# KiCad board panel.opm-inline.kicad_pcb (continued)
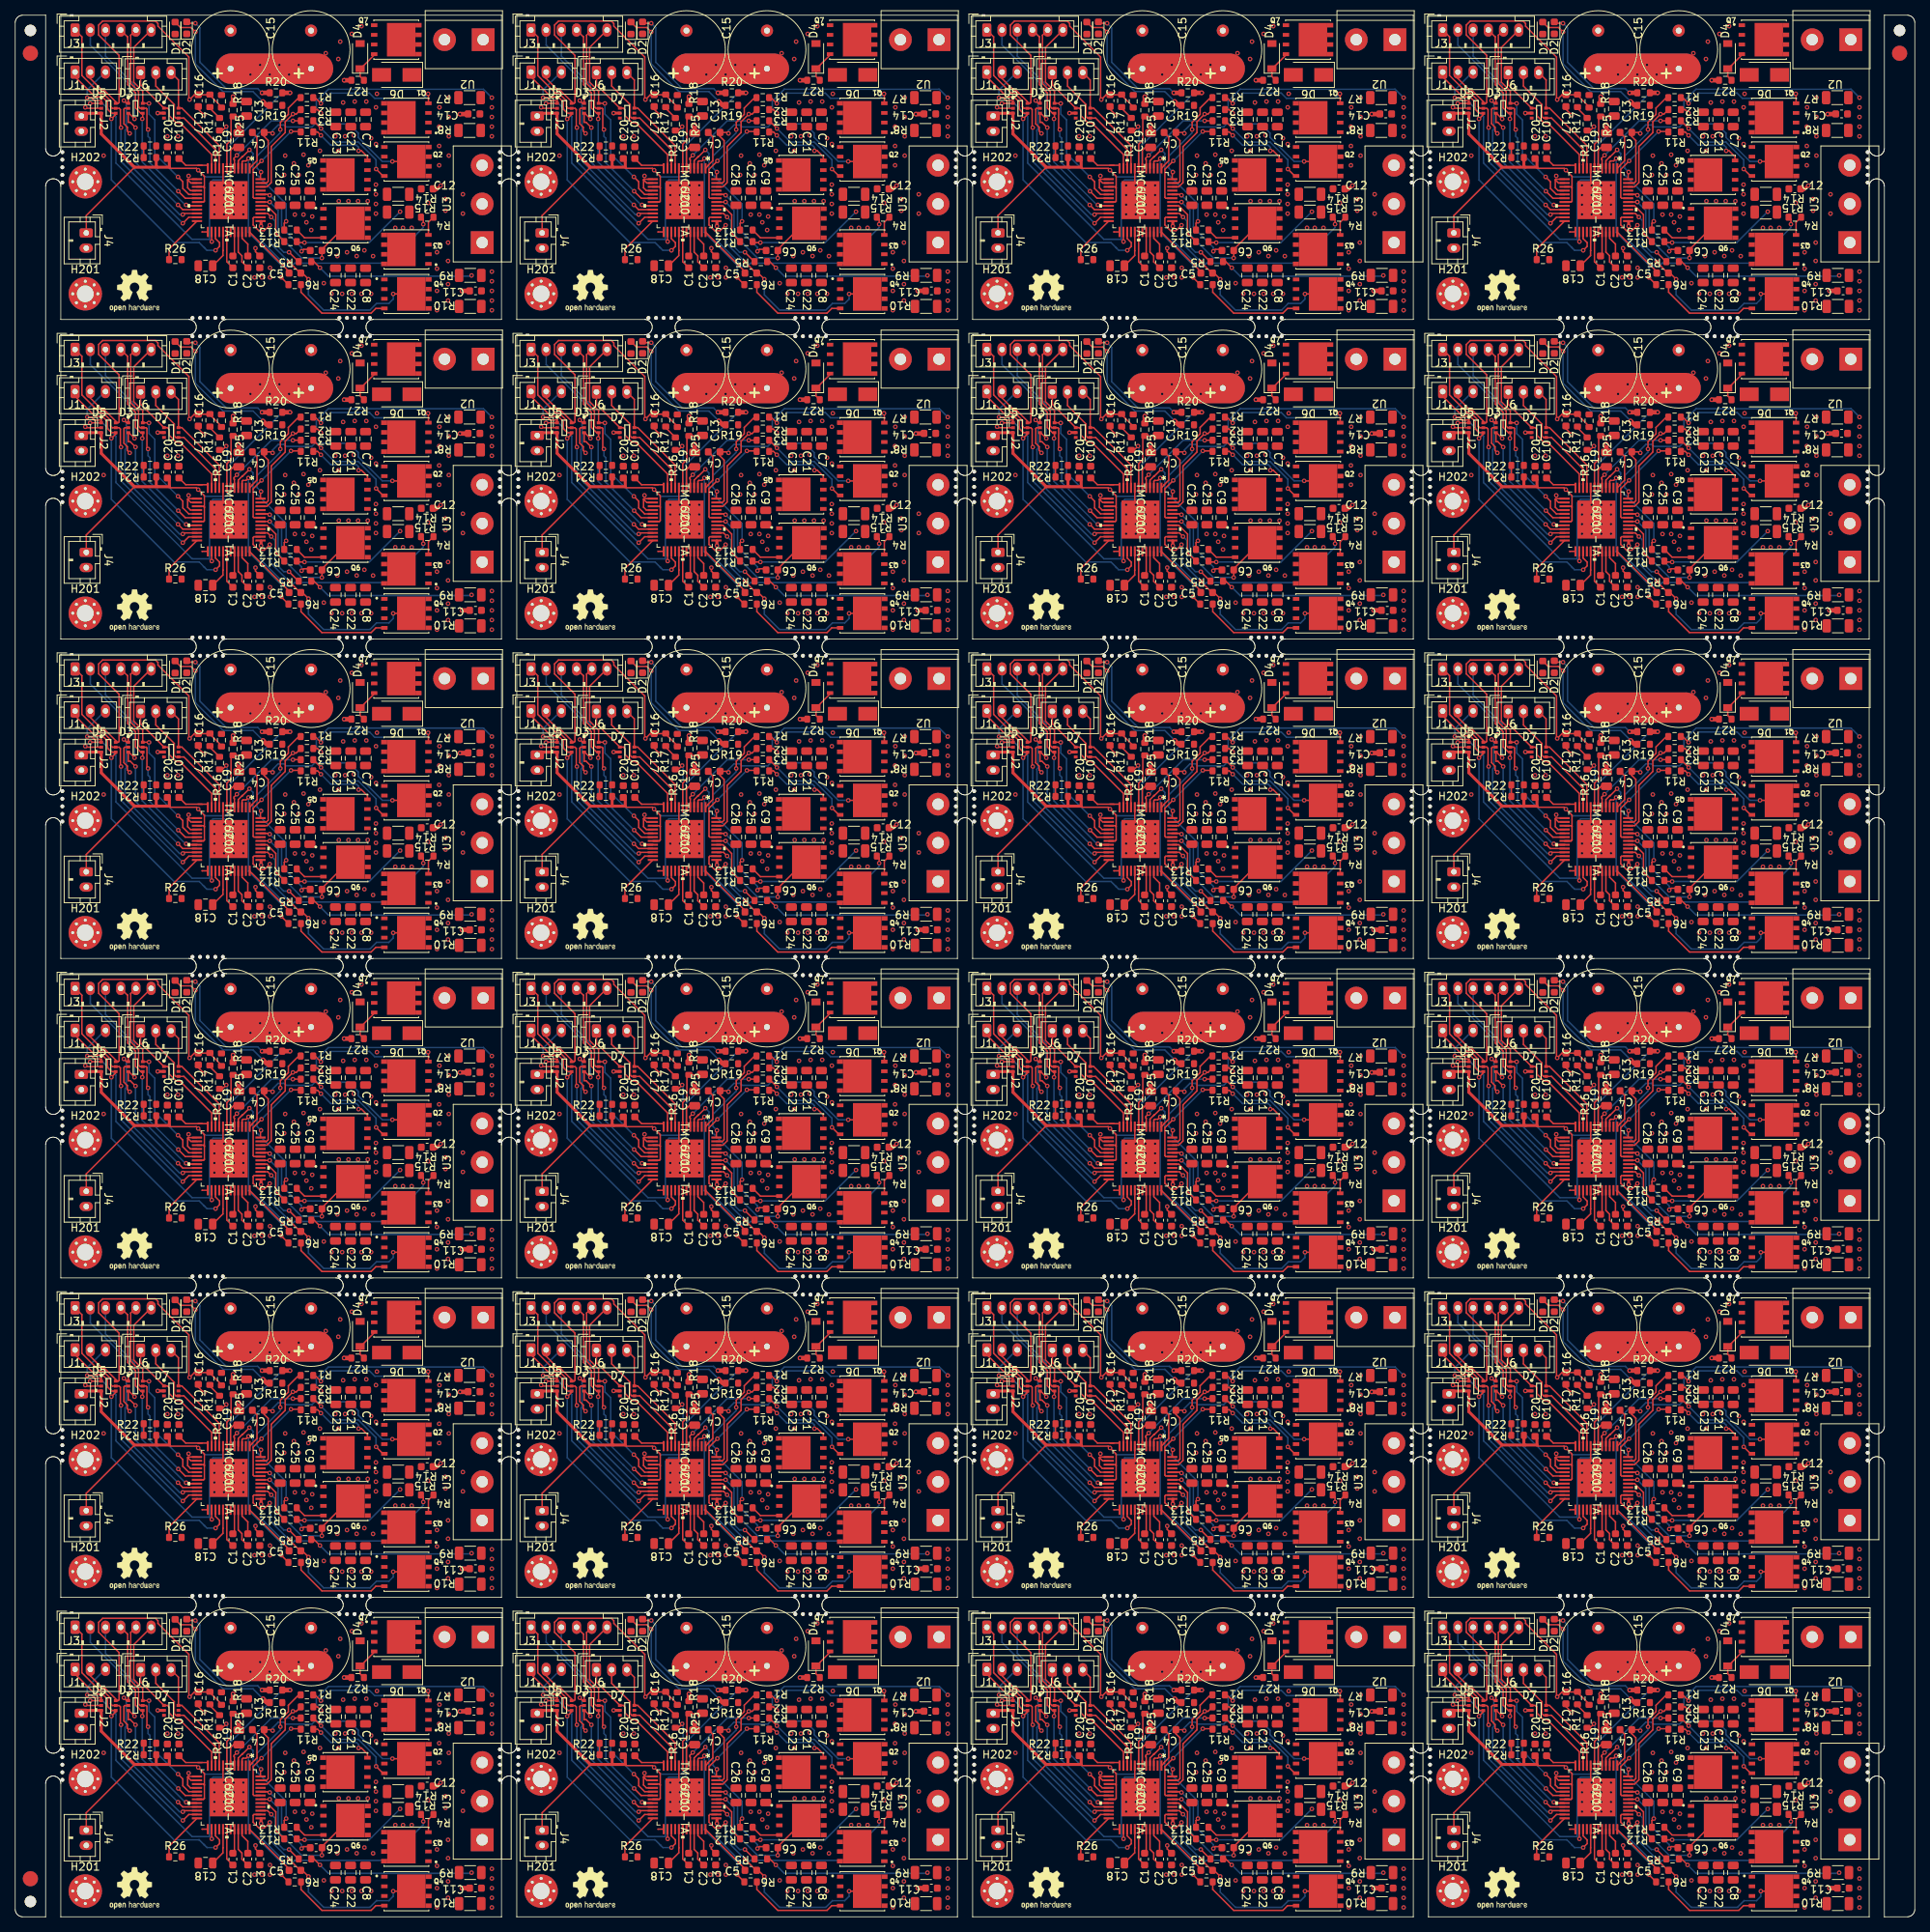
[diagram p0: board, top side]
## Routing (per net, layer and track width the routed paths; a pad name or vN(x,y) marks a point on that pad's centre or on a via; arc(x,y) is an arc through that point) (continued)
  vias: v1(136.61,194.33)
Board_6-/VL: length 32.1
  Top w0.2: IC1#5.21 141.93,182.41 v1(141.31,183.03) ; v1(135.59,194.33) 134.85,195.08 D3#23.3 ; 134.83,195.02 D3#23.3 ; D3#23.3 134.77,193.88 135.02,193.88 v1(135.72,193.19)
  Bottom w0.2: v1(135.59,194.33) 135.59,198.78 131.77,202.6 J3#15.3 ; v1(141.31,183.03) 135.72,188.62 v1(135.72,193.19)
Board_6-/VSA: length 5
  Top w0.2: C18#15.1 147.22,176.38 147.22,177.02 147.23,177.03 IC1#5.29
Board_6-/W: length 21.9
  Top w0.2: 158.86,175.79 158.83,175.77 ; R5#15.1 159.18,175.57 v1(159.98,174.77)
  Bottom w0.2: v1(159.98,174.77) 161.08,173.67 179.82,173.67 v1(179.92,173.76)
  vias: v1(182.58,174.27) v1(182.58,173) v1(182.58,171.73) v1(182.58,170.46) v1(182.58,169.19)
Board_6-/WH: length 33.7
  Top w0.2: v1(134.2,196.74) 134.56,196.38 D3#23.1 ; IC1#5.22 142.09,181.91 v1(141.94,181.76) ; D3#23.1 134.7,196.44 ; D3#23.1 134.77,197.19 v1(134.96,197.38)
  Bottom w0.2: 134.81,188.47 141.52,181.76 v1(141.94,181.76) ; 134.81,188.47 134.36,188.92 134.36,192.84 134.5,192.98 134.5,196.44 v1(134.2,196.74) ; 134.81,188.47 134.7,188.57 ; 133.41,200.39 133.21,200.59 ; 133.21,200.59 129.77,204.03 J3#15.2 ; 133.21,200.59 134.61,199.19 ; 134.7,199.1 134.61,199.19 ; 134.61,199.19 134.96,198.85 v1(134.96,197.38)
Board_6-/WL: length 34.8
  Top w0.2: IC1#5.23 142.73,181.41 v1(141.94,180.62) ; v1(133.81,193.19) 133.73,193.27 133.73,195.56 133.56,195.73 D5#10.5 132.66,195.73 132.44,195.96 132.44,196.71 131.51,197.64 131.07,197.64 128.67,200.04 128.67,205.12 J3#15.1 127.79,206.02
  Bottom w0.2: v1(141.94,180.62) 133.81,188.74 v1(133.81,193.19) ; 127.77,205.47 J3#15.1
Board_6-GND: length 31.2
  Top w0.2: 179.44,194.97 C14#9.2 ; C17#10.2 143.97,195.6 v1(144.74,194.84) ; D5#10.2 129.24,195.73 v1(129.12,195.86) ; 144.48,179.47 144.49,179.48 IC1#5.25 145.23,179.37 ; 149.73,185.41 IC1#5.EPAD ; IC1#5.EPAD 147.23,184.41 IC1#5.8 ; IC1#5.EPAD 145.73,181.41 ; v1(134.96,192.43) 134.66,192.73 134.66,193.23 134.2,193.7 134.2,195.6 134.32,195.73 D3#23.2 ; C3#4.2 151.49,176.88 v1(151.49,177.34) ; IC1#5.13 142.65,186.41 142.58,186.33 ; IC1#5.14 143,185.91 142.58,186.33 ; 142.58,186.33 142.58,185.28 142.95,184.91 IC1#5.16
  Top w0.4: 174.85,185.06 175.34,185.06 v1(175.85,185.57) ; D7#6.2 v1(138.64,195.09)
  Top w0.6: v1(163.15,199.41) R27#6.2 ; v1(178.65,171.73) C11#10.2 ; v1(178.39,194.97) 179.44,194.97 ; C19#5.2 v1(149.31,193.57)
  vias: v1(131.53,189.51) v1(139.91,192.05) v1(141.31,192.05) v1(142.7,186.84) v1(146.09,185.6) v1(146.09,184.33) v1(146.09,183.06) v1(146.09,181.79) v1(147.36,185.6) v1(147.36,184.33) v1(147.36,183.06) v1(147.36,181.79) v1(148.63,185.6) v1(148.63,184.33) v1(148.63,183.06) v1(148.63,181.79) v1(149.9,185.6) v1(149.9,184.33) v1(149.9,183.06) v1(149.9,181.79) v1(156.67,181.76) v1(157.82,181.76) v1(158.2,180.74) v1(158.83,179.73) v1(158.96,181.5) v1(160.48,172.74) v1(161.5,171.34) v1(162.01,192.05) v1(162.9,171.34) v1(163.28,192.05) v1(164.17,171.34) v1(164.42,192.17) v1(165.44,171.34) v1(166.71,191.79) v1(166.71,171.34) v1(167.34,191.03)
Board_6-Net-(C1-Pad1): length 5
  Top w0.2: IC1#5.30 147.73,175.56 C1#16.1
Board_6-Net-(C1-Pad2): length 3.2
  Top w0.2: C1#16.2 148.73,176.53 IC1#5.32
Board_6-Net-(C2-Pad2): length 3.5
  Top w0.2: IC1#5.34 149.73,178.64 150.49,177.88 C2#14.2
Board_6-Net-(C4-Pad1): length 31
  Top w0.2: C4#11.1 152.64,192.08 ; C4#11.1 153.63,192.55 v1(153.75,192.43) ; C4#11.1 152.64,192.02 153.17,191.48 153.17,186.13 152.95,185.91 IC1#5.47 ; v1(169.5,188.74) 169.51,188.74 Q2#4.5
  Bottom w0.2: v1(153.75,192.43) 153.75,192.81 154.48,193.53 155.24,193.53 155.5,193.28 158.93,193.28 159.32,193.67 163.81,193.67 165.02,192.46 165.02,191.9 168.18,188.74 v1(169.5,188.74)
  vias: v1(175.69,195.86) v1(175.65,193.32) v1(175.65,190.78) v1(175.65,188.24) v1(176.92,197.13) v1(176.92,194.59) v1(176.92,192.05) v1(176.92,189.51)
Board_6-Net-(C4-Pad2): length 5.4
  Top w0.2: C4#11.2 151.69,191.95 151.69,188.84 151.09,188.24 151.09,188.19 IC1#5.1
Board_6-Net-(C5-Pad1): length 7.4
  Top w0.2: IC1#5.36 150.73,179.45 155.91,174.27
Board_6-Net-(C5-Pad2): length 31.7
  Top w0.2: v1(169.61,171.33) Q4#17.5 ; v1(158.47,173.26) 157.66,174.07 C5#18.2 ; v1(153.37,180.36) 152.65,179.63 151.94,179.63 151.19,180.39 151.19,181.29 151.31,181.41 IC1#5.38 ; 157.46,174.27 157.18,174.27 v1(155.91,175.54)
  Bottom w0.2: v1(153.37,180.36) 153.47,180.26 153.47,177.98 v1(155.91,175.54) ; v1(169.61,171.33) 169.61,170.64 169.04,170.07 167.41,170.07 166.54,169.21 160.46,169.21 158.47,171.2 v1(158.47,173.26)
  vias: v1(175.36,176.81) v1(175.36,174.65) v1(175.36,171.73) v1(175.36,169.19) v1(176.82,178.08) v1(176.82,175.66) v1(176.82,172.61) v1(176.82,170.46)
Board_6-Net-(C6-Pad1): length 19.3
  Top w0.2: v1(153.37,183.41) 153.37,183.41 IC1#5.42 ; Q6#17.5 163.67,180.62 160.24,177.19 160.24,176.06 v1(160.23,176.04)
  Bottom w0.2: v1(153.37,183.41) 154.47,182.31 154.47,179.14 157.56,176.04 v1(160.23,176.04)
  vias: v1(162.45,183.53) v1(163.72,183.53) v1(164.99,183.53) v1(166.26,183.53) v1(167.33,185.7) v1(167.33,184.43) v1(167.33,183.16) v1(167.33,181.89)
Board_6-Net-(C6-Pad2): length 12.4
  Top w0.2: v1(157.56,176.93) 157.82,177.19 158.69,177.19 ; v1(153.37,184.3) 153.27,184.41 IC1#5.44 153.01,184.41
  Bottom w0.2: v1(157.56,176.93) 157.56,177.44 154.93,180.07 154.93,182.74 v1(153.37,184.3)
Board_6-Net-(D1-Pad2): length 19.4
  Top w0.2: R19#11.1 152.99,196.11 ; D1#22.2 141.64,206.35 143.01,206.35 v1(143.59,205.76)
  Top w0.6: 152.99,196.11 v1(152.48,196.62)
  Bottom w0.2: v1(143.59,205.76) 143.59,201.57 147.24,197.92 151.18,197.92 v1(152.48,196.62)
Board_6-Net-(D2-Pad2): length 17.4
  Top w0.2: v1(143.59,206.9) 142.63,206.9 D2#10.2
  Top w0.6: R20#5.1 v1(152.36,197.76)
  Bottom w0.2: v1(143.59,206.9) 144.19,206.3 144.19,201.78 147.65,198.32 151.79,198.32 v1(152.36,197.76)
Board_6-Net-(D4-Pad1): length 4.4
  Top w0.2: 165.31,200.94 167.11,202.74 Q7#24.4 ; D4#15.1 165.26,199.91 R27#6.1
Board_6-Net-(IC1-Pad3): length 20.6
  Top w0.2: v1(150.58,189.12) 150.26,188.81 149.85,188.81 149.73,188.69 IC1#5.3 ; v1(154.9,173.5) 154.9,173.48 R6#8.2
  Bottom w0.2: v1(150.58,189.12) 150.58,179.42 154.9,175.1 v1(154.9,173.5)
Board_6-Net-(IC1-Pad4): length 16.7
  Top w0.2: 149.73,189.34 149.82,189.42 ; 149.73,189.34 149.23,188.84 IC1#5.4 149.23,188.65 ; 149.73,189.34 149.77,189.34 v1(150.71,190.27) ; v1(155.53,180.87) 155.28,180.62 R13#10.2
  Bottom w0.2: v1(155.53,180.87) 155.53,183.16 151.18,187.51 151.18,189.79 v1(150.71,190.27)
Board_6-Net-(IC1-Pad5): length 12.2
  Top w0.2: v1(149.05,189.55) 148.67,189.17 148.67,189 148.73,188.94 IC1#5.5 ; R3#22.2 156.43,194.09 v1(156.42,194.08)
  Bottom w0.2: v1(149.05,189.55) 153.58,194.08 v1(156.42,194.08)
Board_6-Net-(IC1-Pad24): length 6.6
  Top w0.2: R26#8.1 140.13,177.23 IC1#5.24
Board_6-Net-(IC1-Pad37): length 28.9
  Top w0.2: v1(173.57,180.49) 173.57,181.11 R4#20.2 ; 152.23,180.84 IC1#5.37
  Top w0.4: v1(152.23,180.23) 152.23,180.84
  Bottom w0.2: v1(173.57,180.49) 173.57,180.06 168.87,175.37 156.64,175.37 156.2,174.94 155.62,174.94 152.23,178.33 v1(152.23,180.23)
Board_6-Net-(IC1-Pad39): length 9.3
  Top w0.2: 157.18,175.77 156.95,175.77 v1(155.91,176.81) ; v1(153.57,181.43) 153.1,181.91 IC1#5.39
  Bottom w0.2: v1(153.57,181.43) 154.07,180.93 154.07,177.94 155.21,176.81 v1(155.91,176.81)
Board_6-Net-(IC1-Pad41): length 6.5
  Top w0.2: IC1#5.41 153.01,182.91 154.17,181.75 154.17,179.31 R12#21.2
Board_6-Net-(IC1-Pad43): length 13.1
  Top w0.2: IC1#5.43 151.31,183.91 151.19,184.03 151.19,187.7 v1(152.29,188.81) ; v1(156.17,192.68) 157.39,192.68 R11#11.2
  Bottom w0.2: v1(152.29,188.81) v1(156.17,192.68)
Board_6-Net-(IC1-Pad46): length 13.1
  Top w0.2: IC1#5.46 153.01,185.41 153.57,185.96 153.57,190.7 155.4,192.54 155.4,193.95 v1(156.42,194.97) 156.86,194.97 R2#3.2
Board_6-Net-(IC1-Pad48): length 13.8
  Top w0.2: R1#12.2 157.18,197.13 155.82,195.76 155.82,194.93 154.77,193.88 v1(154.77,192.93) ; v1(152.23,187.35) 152.16,187.28 IC1#5.48
  Bottom w0.2: v1(154.77,192.93) 154.77,192.51 151.69,189.43 151.69,187.88 v1(152.23,187.35) 152.23,187.6
Board_6-Net-(Q1-Pad4): length 17.8
  Top w0.2: Q1#24.4 174.24,197.59 v1(174.2,197.63) ; R1#12.1 159.34,197.13 v1(160.1,196.36)
  Bottom w0.2: v1(174.2,197.63) 173.6,197.03 167.18,197.03 166.49,197.73 161.47,197.73 v1(160.1,196.36)
Board_6-Net-(Q2-Pad4): length 13.2
  Top w0.2: v1(167.36,187.74) 168.27,186.83 Q2#4.4 ; 160.23,192.96 v1(160.11,193.07) R3#22.1
  Bottom w0.2: v1(167.36,187.74) 167.36,188.95 165.02,191.28 161.9,191.28 v1(160.11,193.07)
Board_6-Net-(Q3-Pad4): length 2.6
  Top w0.2: R4#20.1 174.24,180.75 Q3#5.4
Board_6-Net-(Q4-Pad4): length 13.5
  Top w0.2: Q4#17.4 167.32,169.42 166.71,168.8 160.23,168.8 157.48,171.55 R6#8.1 157.68,172.55
Board_6-Net-(Q5-Pad4): length 9.2
  Top w0.2: v1(160.1,192.17) 159.66,192.62 R11#11.1 ; Q5#18.4 166.22,189.36 165.44,190.14 v1(165.06,190.14)
  Bottom w0.2: v1(160.1,192.17) 161.4,190.88 164.78,190.88 165.06,190.6 v1(165.06,190.14)
Board_6-Net-(Q6-Pad4): length 3.9
  Top w0.2: R13#10.1 157.94,178.71 Q6#17.4
Board_6-Net-(R16-Pad2): length 2
  Top w0.2: R16#22.2 145.5,195.73 R17#18.1
Board_7-/+VM: length 61.7
  Top w0.2: IC1#6.33 209.18,176.82 209.67,176.34 209.67,175.54 C2#15.1
  Top w0.6: R25#12.2 v1(208.5,197.25)
  Top w4: 208.24,200.94 219.67,200.94
  In1.Cu w4: 208.5,200.94 218.3,200.94
  In2.Cu w4: 208.24,200.94 219.67,200.94 208.24,200.94
  Bottom w4: 208.24,200.94 219.67,200.94
  vias: v1(210.78,200.17) v1(211.31,173.5) v1(212.05,201.44) v1(212.28,173.5) v1(213.32,200.17) v1(213.35,174.77) v1(213.35,173.5) v1(214.59,201.44) v1(215.23,186.97) v1(215.35,189.51) v1(215.86,200.17) v1(216.5,188.49) v1(217.13,201.44) v1(217.13,186.97) v1(217.77,189.63) v1(218.4,188.24) v1(219.93,190.14) v1(220.69,202.97) v1(222.21,176.31) v1(222.34,202.21) v1(222.34,190.14) v1(222.59,204.49) v1(222.97,196.49) v1(223.48,176.81) v1(224.12,205.51) v1(224.5,196.62) v1(224.75,176.31) v1(225.39,206.52) v1(225.77,177.06) v1(226.02,196.62) v1(226.91,176.3) v1(227.29,195.86) v1(227.42,197.63) v1(229.83,180.02) v1(230.85,180.02) v1(231.99,180.02)
Board_7-/ADC_I_u: length 15.5
  Top w0.2: IC1#6.9 206.68,190.83 201.77,195.74 D7#13.6 201.32,199.45 J6#13.3
Board_7-/ADC_I_v: length 17.7
  Top w0.2: 206.12,188.32 206.18,188.26 IC1#6.10 206.18,190.3 202.03,194.44 D7#13.4 200.98,194.44 200.77,194.65 200.77,196.22 198.34,198.65 J6#13.2 198.84,199.92
Board_7-/ADC_I_w: length 17
  Top w0.2: IC1#6.11 205.68,189.65 201.51,193.82 201.03,193.82 200.11,194.74 200.11,195.5 199.87,195.74 D7#13.1 196.34,198.83 J6#13.1
Board_7-/Connectors/VOFS: length 1.8
  Top w0.2: R22.1 R21#3.2 ; 196.43,189.12 196.75,189.12
Board_7-/DRV_EN: length 38.5
  Top w0.2: v1(192.49,194.33) 193.06,194.9 D5#7.4 192.51,195.08 191.99,195.6 191.99,196.55 191.29,197.24 190.35,197.24 187.72,199.87 J1#19.1 ; v1(206.2,177.06) 206.72,177.58 206.72,178.07 206.18,178.6 IC1#6.27 206.18,179.06 206.2,179.04
  Bottom w0.2: 204.69,177.44 204.81,177.31 ; 204.69,177.44 204.05,178.08 200.73,178.08 192.49,186.31 v1(192.49,194.33) ; 204.69,177.44 205.07,177.06 v1(206.2,177.06)
Board_7-/FAULT: length 63.4
  Top w0.2: v1(189.7,196.36) 189.72,196.38 D5#7.1 191.16,196.69 ; 191.22,196.74 190.28,196.74 189.9,197.13 v1(189.32,197.13) ; v1(205.7,178.2) 205.68,178.22 IC1#6.26
  Top w0.6: R20#8.2 v1(215.99,197.76)
  Bottom w0.2: 193,194.71 192.78,194.93 ; 193,194.71 193.09,194.62 193.09,188.53 203.12,178.5 205.4,178.5 ; 193,194.71 191.35,196.36 v1(189.7,196.36) ; 205.4,178.5 v1(205.7,178.2) ; 205.4,178.5 205.4,185.84 205.87,186.31 207.9,186.31 208.13,186.55 208.13,190.92 R20#8.2 v1(215.99,197.76) ; J1#19.3 191.66,200.49 189.32,198.14 v1(189.32,197.13)
Board_7-/Motor Driver/VOFS: length 4.7
  Top w0.2: 203.89,188.24 205.16,188.24 ; C10#14.1 202.27,188.24 204.43,188.24
Board_7-/TEMP_PCB: length 42.5
  Top w0.2: 193.06,203.13 193.05,203.14 ; 193.05,203.14 193.51,202.68 193.51,196.49 193.4,196.38 D5#7.6 193.06,196.6 191.63,198.04 191.33,198.04 189.72,199.64 J1#19.2 ; 193.05,203.14 190.82,205.37 190.82,206.66 191.35,207.19 198.3,207.19 198.62,206.87 198.62,206.53 202.69,202.46 202.69,196.96 v1(202.78,196.87) 203.42,197.51 C17#19.1 205.42,197.51 R17#8.2 205.45,197.44 206.97,195.92
Board_7-/U: length 27.2
  Top w0.2: R2#16.1 219.59,195.56 v1(220.05,195.09)
  Bottom w0.2: v1(242.53,197.13) 241.42,198.23 221.04,198.23 219.45,196.65 219.45,195.69 v1(220.05,195.09)
  vias: v1(242.53,195.86) v1(242.53,194.59) v1(242.53,193.32) v1(242.53,192.05)
Board_7-/UH: length 27.5
  Top w0.2: v1(201.26,186.71) 201.89,186.08 201.89,185.19 202.67,184.41 IC1#6.17 ; 197.72,205.66 J3#17.6 195.44,203.73 195.44,199.16 196.62,197.98 D3#17.6 197.43,196.38 v1(197.45,196.36)
  Bottom w0.2: v1(197.45,196.36) 197.45,194.97 198.21,194.21 198.21,189.76 v1(201.26,186.71)
Board_7-/UL: length 27.4
  Top w0.2: v1(197.32,192.93) 197.17,193.09 197.17,195.63 197.07,195.73 D3#17.5 196.28,195.73 196.07,195.94 196.07,197.94 195.92,198.08 195.92,198.11 195.04,198.99 195.04,205.33 J3#17.5 ; IC1#6.18 202.21,183.91 v1(201.29,184.83)
  Bottom w0.2: v1(197.32,192.93) 197.32,192.05 197.57,191.79 197.57,188.54 v1(201.29,184.83)
Board_7-/V: length 15.3
  Top w0.2: R12#23.1 217,178.08 v1(217.89,178.08)
  Bottom w0.2: v1(230.47,182.14) 226.4,178.08 v1(217.89,178.08)
  vias: v1(234.15,183.28) v1(236.44,183.79) v1(236.44,182.27) v1(238.72,184.43) v1(238.72,181.89)
Board_7-/VH: length 30.4
  Top w0.2: v1(202.33,183.03) 202.45,182.91 IC1#6.20 202.88,182.91 ; D3#17.4 196.36,195.08 195.67,195.77 195.67,197.76 195.27,198.16 195.27,198.2 194.64,198.83 194.64,205.13 194.61,205.13 J3#17.4 ; D3#17.4 196.42,195.08 ; D3#17.4 196.62,194.27
  Bottom w0.2: 196.56,194.2 196.56,188.67 202.33,182.91 202.14,182.91 202.14,183.02 ; 194.27,205.47 J3#17.4
  vias: v1(196.56,194.33)
Board_7-/VL: length 32.1
  Top w0.2: IC1#6.21 201.88,182.41 v1(201.26,183.03) ; v1(195.54,194.33) 194.8,195.08 D3#17.3 ; 194.78,195.02 D3#17.3 ; D3#17.3 194.72,193.88 194.97,193.88 v1(195.67,193.19)
  Bottom w0.2: v1(195.54,194.33) 195.54,198.78 191.72,202.6 J3#17.3 ; v1(201.26,183.03) 195.67,188.62 v1(195.67,193.19)
Board_7-/VSA: length 5
  Top w0.2: C18#3.1 207.17,176.38 207.17,177.02 207.18,177.03 IC1#6.29
Board_7-/W: length 21.9
  Top w0.2: 218.81,175.79 218.78,175.77 ; R5#24.1 219.13,175.57 v1(219.93,174.77)
  Bottom w0.2: v1(219.93,174.77) 221.03,173.67 239.77,173.67 v1(239.87,173.76)
  vias: v1(242.53,174.27) v1(242.53,173) v1(242.53,171.73) v1(242.53,170.46) v1(242.53,169.19)
Board_7-/WH: length 33.7
  Top w0.2: v1(194.15,196.74) 194.51,196.38 D3#17.1 ; IC1#6.22 202.04,181.91 v1(201.89,181.76) ; D3#17.1 194.65,196.44 ; D3#17.1 194.72,197.19 v1(194.91,197.38)
  Bottom w0.2: 194.76,188.47 201.47,181.76 v1(201.89,181.76) ; 194.76,188.47 194.31,188.92 194.31,192.84 194.45,192.98 194.45,196.44 v1(194.15,196.74) ; 194.76,188.47 194.65,188.57 ; 193.36,200.39 193.16,200.59 ; 193.16,200.59 189.72,204.03 J3#17.2 ; 193.16,200.59 194.56,199.19 ; 194.65,199.1 194.56,199.19 ; 194.56,199.19 194.91,198.85 v1(194.91,197.38)
Board_7-/WL: length 34.8
  Top w0.2: IC1#6.23 202.68,181.41 v1(201.89,180.62) ; v1(193.76,193.19) 193.68,193.27 193.68,195.56 193.51,195.73 D5#7.5 192.61,195.73 192.39,195.96 192.39,196.71 191.46,197.64 191.02,197.64 188.62,200.04 188.62,205.12 J3#17.1 187.74,206.02
  Bottom w0.2: v1(201.89,180.62) 193.76,188.74 v1(193.76,193.19) ; 187.72,205.47 J3#17.1
Board_7-GND: length 31.2
  Top w0.2: 239.39,194.97 C14#8.2 ; C17#19.2 203.92,195.6 v1(204.69,194.84) ; D5#7.2 189.19,195.73 v1(189.07,195.86) ; 204.43,179.47 204.44,179.48 IC1#6.25 205.18,179.37 ; 209.68,185.41 IC1#6.EPAD ; IC1#6.EPAD 207.18,184.41 IC1#6.8 ; IC1#6.EPAD 205.68,181.41 ; v1(194.91,192.43) 194.61,192.73 194.61,193.23 194.15,193.7 194.15,195.6 194.27,195.73 D3#17.2 ; C3#12.2 211.44,176.88 v1(211.44,177.34) ; IC1#6.13 202.6,186.41 202.53,186.33 ; IC1#6.14 202.95,185.91 202.53,186.33 ; 202.53,186.33 202.53,185.28 202.9,184.91 IC1#6.16
  Top w0.4: 234.8,185.06 235.29,185.06 v1(235.8,185.57) ; D7#13.2 v1(198.59,195.09)
  Top w0.6: v1(223.1,199.41) R27#3.2 ; v1(238.6,171.73) C11#15.2 ; v1(238.34,194.97) 239.39,194.97 ; C19#11.2 v1(209.26,193.57)
  vias: v1(191.48,189.51) v1(199.86,192.05) v1(201.26,192.05) v1(202.65,186.84) v1(206.04,185.6) v1(206.04,184.33) v1(206.04,183.06) v1(206.04,181.79) v1(207.31,185.6) v1(207.31,184.33) v1(207.31,183.06) v1(207.31,181.79) v1(208.58,185.6) v1(208.58,184.33) v1(208.58,183.06) v1(208.58,181.79) v1(209.85,185.6) v1(209.85,184.33) v1(209.85,183.06) v1(209.85,181.79) v1(216.62,181.76) v1(217.77,181.76) v1(218.15,180.74) v1(218.78,179.73) v1(218.91,181.5) v1(220.43,172.74) v1(221.45,171.34) v1(221.96,192.05) v1(222.85,171.34) v1(223.23,192.05) v1(224.12,171.34) v1(224.37,192.17) v1(225.39,171.34) v1(226.66,191.79) v1(226.66,171.34) v1(227.29,191.03)
Board_7-Net-(C1-Pad1): length 5
  Top w0.2: IC1#6.30 207.68,175.56 C1#6.1
Board_7-Net-(C1-Pad2): length 3.2
  Top w0.2: C1#6.2 208.68,176.53 IC1#6.32
Board_7-Net-(C2-Pad2): length 3.5
  Top w0.2: IC1#6.34 209.68,178.64 210.44,177.88 C2#15.2
Board_7-Net-(C4-Pad1): length 31
  Top w0.2: C4#23.1 212.59,192.08 ; C4#23.1 213.58,192.55 v1(213.7,192.43) ; C4#23.1 212.59,192.02 213.12,191.48 213.12,186.13 212.9,185.91 IC1#6.47 ; v1(229.45,188.74) 229.46,188.74 Q2#7.5
  Bottom w0.2: v1(213.7,192.43) 213.7,192.81 214.43,193.53 215.19,193.53 215.45,193.28 218.88,193.28 219.27,193.67 223.76,193.67 224.97,192.46 224.97,191.9 228.13,188.74 v1(229.45,188.74)
  vias: v1(235.6,193.32) v1(235.6,190.78) v1(235.6,188.24) v1(235.64,195.86) v1(236.87,197.13) v1(236.87,194.59) v1(236.87,192.05) v1(236.87,189.51)
Board_7-Net-(C4-Pad2): length 5.4
  Top w0.2: C4#23.2 211.64,191.95 211.64,188.84 211.04,188.24 211.04,188.19 IC1#6.1
Board_7-Net-(C5-Pad1): length 7.4
  Top w0.2: IC1#6.36 210.68,179.45 215.86,174.27
Board_7-Net-(C5-Pad2): length 31.7
  Top w0.2: v1(229.56,171.33) Q4#5.5 ; v1(218.42,173.26) 217.61,174.07 C5#23.2 ; v1(213.32,180.36) 212.6,179.63 211.89,179.63 211.14,180.39 211.14,181.29 211.26,181.41 IC1#6.38 ; 217.41,174.27 217.13,174.27 v1(215.86,175.54)
  Bottom w0.2: v1(213.32,180.36) 213.42,180.26 213.42,177.98 v1(215.86,175.54) ; v1(229.56,171.33) 229.56,170.64 228.99,170.07 227.36,170.07 226.49,169.21 220.41,169.21 218.42,171.2 v1(218.42,173.26)
  vias: v1(235.31,176.81) v1(235.31,174.65) v1(235.31,171.73) v1(235.31,169.19) v1(236.77,178.08) v1(236.77,175.66) v1(236.77,172.61) v1(236.77,170.46)
Board_7-Net-(C6-Pad1): length 19.3
  Top w0.2: v1(213.32,183.41) 213.32,183.41 IC1#6.42 ; Q6#8.5 223.62,180.62 220.19,177.19 220.19,176.06 v1(220.18,176.04)
  Bottom w0.2: v1(213.32,183.41) 214.42,182.31 214.42,179.14 217.51,176.04 v1(220.18,176.04)
  vias: v1(222.4,183.53) v1(223.67,183.53) v1(224.94,183.53) v1(226.21,183.53) v1(227.28,185.7) v1(227.28,184.43) v1(227.28,183.16) v1(227.28,181.89)
Board_7-Net-(C6-Pad2): length 12.4
  Top w0.2: v1(217.51,176.93) 217.77,177.19 218.64,177.19 ; v1(213.32,184.3) 213.22,184.41 IC1#6.44 212.96,184.41
  Bottom w0.2: v1(217.51,176.93) 217.51,177.44 214.88,180.07 214.88,182.74 v1(213.32,184.3)
Board_7-Net-(D1-Pad2): length 19.4
  Top w0.2: R19#17.1 212.94,196.11 ; D1#5.2 201.59,206.35 202.96,206.35 v1(203.54,205.76)
  Top w0.6: 212.94,196.11 v1(212.43,196.62)
  Bottom w0.2: v1(203.54,205.76) 203.54,201.57 207.19,197.92 211.13,197.92 v1(212.43,196.62)
Board_7-Net-(D2-Pad2): length 17.4
  Top w0.2: v1(203.54,206.9) 202.58,206.9 D2#20.2
  Top w0.6: R20#8.1 v1(212.31,197.76)
  Bottom w0.2: v1(203.54,206.9) 204.14,206.3 204.14,201.78 207.6,198.32 211.74,198.32 v1(212.31,197.76)
Board_7-Net-(D4-Pad1): length 4.4
  Top w0.2: 225.26,200.94 227.06,202.74 Q7#11.4 ; D4#20.1 225.21,199.91 R27#3.1
Board_7-Net-(IC1-Pad3): length 20.6
  Top w0.2: v1(210.53,189.12) 210.21,188.81 209.8,188.81 209.68,188.69 IC1#6.3 ; v1(214.85,173.5) 214.85,173.48 R6#7.2
  Bottom w0.2: v1(210.53,189.12) 210.53,179.42 214.85,175.1 v1(214.85,173.5)
Board_7-Net-(IC1-Pad4): length 16.7
  Top w0.2: 209.68,189.34 209.77,189.42 ; 209.68,189.34 209.18,188.84 IC1#6.4 209.18,188.65 ; 209.68,189.34 209.72,189.34 v1(210.66,190.27) ; v1(215.48,180.87) 215.23,180.62 R13#8.2
  Bottom w0.2: v1(215.48,180.87) 215.48,183.16 211.13,187.51 211.13,189.79 v1(210.66,190.27)
Board_7-Net-(IC1-Pad5): length 12.2
  Top w0.2: v1(209,189.55) 208.62,189.17 208.62,189 208.68,188.94 IC1#6.5 ; R3#7.2 216.38,194.09 v1(216.37,194.08)
  Bottom w0.2: v1(209,189.55) 213.53,194.08 v1(216.37,194.08)
Board_7-Net-(IC1-Pad24): length 6.6
  Top w0.2: R26#18.1 200.08,177.23 IC1#6.24
Board_7-Net-(IC1-Pad37): length 28.9
  Top w0.2: v1(233.52,180.49) 233.52,181.11 R4#8.2 ; 212.18,180.84 IC1#6.37
  Top w0.4: v1(212.18,180.23) 212.18,180.84
  Bottom w0.2: v1(233.52,180.49) 233.52,180.06 228.82,175.37 216.59,175.37 216.15,174.94 215.57,174.94 212.18,178.33 v1(212.18,180.23)
Board_7-Net-(IC1-Pad39): length 9.3
  Top w0.2: 217.13,175.77 216.9,175.77 v1(215.86,176.81) ; v1(213.52,181.43) 213.05,181.91 IC1#6.39
  Bottom w0.2: v1(213.52,181.43) 214.02,180.93 214.02,177.94 215.16,176.81 v1(215.86,176.81)
Board_7-Net-(IC1-Pad41): length 6.5
  Top w0.2: IC1#6.41 212.96,182.91 214.12,181.75 214.12,179.31 R12#23.2
Board_7-Net-(IC1-Pad43): length 13.1
  Top w0.2: IC1#6.43 211.26,183.91 211.14,184.03 211.14,187.7 v1(212.24,188.81) ; v1(216.12,192.68) 217.34,192.68 R11#6.2
  Bottom w0.2: v1(212.24,188.81) v1(216.12,192.68)
Board_7-Net-(IC1-Pad46): length 13.1
  Top w0.2: IC1#6.46 212.96,185.41 213.52,185.96 213.52,190.7 215.35,192.54 215.35,193.95 v1(216.37,194.97) 216.81,194.97 R2#16.2
Board_7-Net-(IC1-Pad48): length 13.8
  Top w0.2: R1#23.2 217.13,197.13 215.77,195.76 215.77,194.93 214.72,193.88 v1(214.72,192.93) ; v1(212.18,187.35) 212.11,187.28 IC1#6.48
  Bottom w0.2: v1(214.72,192.93) 214.72,192.51 211.64,189.43 211.64,187.88 v1(212.18,187.35) 212.18,187.6
Board_7-Net-(Q1-Pad4): length 17.8
  Top w0.2: Q1#13.4 234.19,197.59 v1(234.15,197.63) ; R1#23.1 219.29,197.13 v1(220.05,196.36)
  Bottom w0.2: v1(234.15,197.63) 233.55,197.03 227.13,197.03 226.44,197.73 221.42,197.73 v1(220.05,196.36)
Board_7-Net-(Q2-Pad4): length 13.2
  Top w0.2: v1(227.31,187.74) 228.22,186.83 Q2#7.4 ; 220.18,192.96 v1(220.06,193.07) R3#7.1
  Bottom w0.2: v1(227.31,187.74) 227.31,188.95 224.97,191.28 221.85,191.28 v1(220.06,193.07)
Board_7-Net-(Q3-Pad4): length 2.6
  Top w0.2: R4#8.1 234.19,180.75 Q3#22.4
Board_7-Net-(Q4-Pad4): length 13.5
  Top w0.2: Q4#5.4 227.27,169.42 226.66,168.8 220.18,168.8 217.43,171.55 R6#7.1 217.63,172.55
Board_7-Net-(Q5-Pad4): length 9.2
  Top w0.2: v1(220.05,192.17) 219.61,192.62 R11#6.1 ; Q5#5.4 226.17,189.36 225.39,190.14 v1(225.01,190.14)
  Bottom w0.2: v1(220.05,192.17) 221.35,190.88 224.73,190.88 225.01,190.6 v1(225.01,190.14)
Board_7-Net-(Q6-Pad4): length 3.9
  Top w0.2: R13#8.1 217.89,178.71 Q6#8.4
Board_7-Net-(R16-Pad2): length 2
  Top w0.2: R16#20.2 205.45,195.73 R17#8.1
Board_8-/+VM: length 61.7
  Top w0.2: IC1#23.33 29.33,134.83 29.82,134.35 29.82,133.55 C2#8.1
  Top w0.6: R25#8.2 v1(28.65,155.26)
  Top w4: 28.39,158.95 39.82,158.95
  In1.Cu w4: 28.65,158.95 38.45,158.95
  In2.Cu w4: 28.39,158.95 39.82,158.95 28.39,158.95
  Bottom w4: 28.39,158.95 39.82,158.95
  vias: v1(30.93,158.18) v1(31.46,131.51) v1(32.2,159.45) v1(32.43,131.51) v1(33.47,158.18) v1(33.5,132.78) v1(33.5,131.51) v1(34.74,159.45) v1(35.38,144.98) v1(35.5,147.52) v1(36.01,158.18) v1(36.65,146.5) v1(37.28,159.45) v1(37.28,144.98) v1(37.92,147.64) v1(38.55,146.25) v1(40.08,148.15) v1(40.84,160.98) v1(42.36,134.32) v1(42.49,160.22) v1(42.49,148.15) v1(42.74,162.5) v1(43.12,154.5) v1(43.63,134.82) v1(44.27,163.52) v1(44.65,154.63) v1(44.9,134.32) v1(45.54,164.53) v1(45.92,135.07) v1(46.17,154.63) v1(47.06,134.31) v1(47.44,153.87) v1(47.57,155.64) v1(49.98,138.03) v1(51,138.03) v1(52.14,138.03)
Board_8-/ADC_I_u: length 15.5
  Top w0.2: IC1#23.9 26.83,148.84 21.92,153.75 D7#16.6 21.47,157.46 J6#14.3
Board_8-/ADC_I_v: length 17.7
  Top w0.2: 26.27,146.33 26.33,146.27 IC1#23.10 26.33,148.31 22.18,152.45 D7#16.4 21.13,152.45 20.92,152.66 20.92,154.23 18.49,156.66 J6#14.2 18.99,157.93
Board_8-/ADC_I_w: length 17
  Top w0.2: IC1#23.11 25.83,147.66 21.66,151.83 21.18,151.83 20.26,152.75 20.26,153.51 20.02,153.75 D7#16.1 16.49,156.84 J6#14.1
Board_8-/Connectors/VOFS: length 1.8
  Top w0.2: R22#16.1 R21#24.2 ; 16.58,147.13 16.9,147.13
Board_8-/DRV_EN: length 38.5
  Top w0.2: v1(12.64,152.34) 13.21,152.91 D5#24.4 12.66,153.09 12.14,153.61 12.14,154.56 11.44,155.25 10.5,155.25 7.87,157.88 J1#11.1 ; v1(26.35,135.07) 26.87,135.59 26.87,136.08 26.33,136.61 IC1#23.27 26.33,137.07 26.35,137.05
  Bottom w0.2: 24.84,135.45 24.96,135.32 ; 24.84,135.45 24.2,136.09 20.88,136.09 12.64,144.32 v1(12.64,152.34) ; 24.84,135.45 25.22,135.07 v1(26.35,135.07)
Board_8-/FAULT: length 63.4
  Top w0.2: v1(9.85,154.37) 9.87,154.39 D5#24.1 11.31,154.7 ; 11.37,154.75 10.43,154.75 10.05,155.14 v1(9.47,155.14) ; v1(25.85,136.21) 25.83,136.23 IC1#23.26
  Top w0.6: R20#13.2 v1(36.14,155.77)
  Bottom w0.2: 13.15,152.72 12.93,152.94 ; 13.15,152.72 13.24,152.63 13.24,146.54 23.27,136.51 25.55,136.51 ; 13.15,152.72 11.5,154.37 v1(9.85,154.37) ; 25.55,136.51 v1(25.85,136.21) ; 25.55,136.51 25.55,143.85 26.02,144.32 28.05,144.32 28.28,144.56 28.28,148.93 35.12,155.77 v1(36.14,155.77) ; J1#11.3 11.81,158.5 9.47,156.15 v1(9.47,155.14)
